# Altium PCB MiniSystem-Pcb-All.PcbDoc (part 1 of 8) (continued)
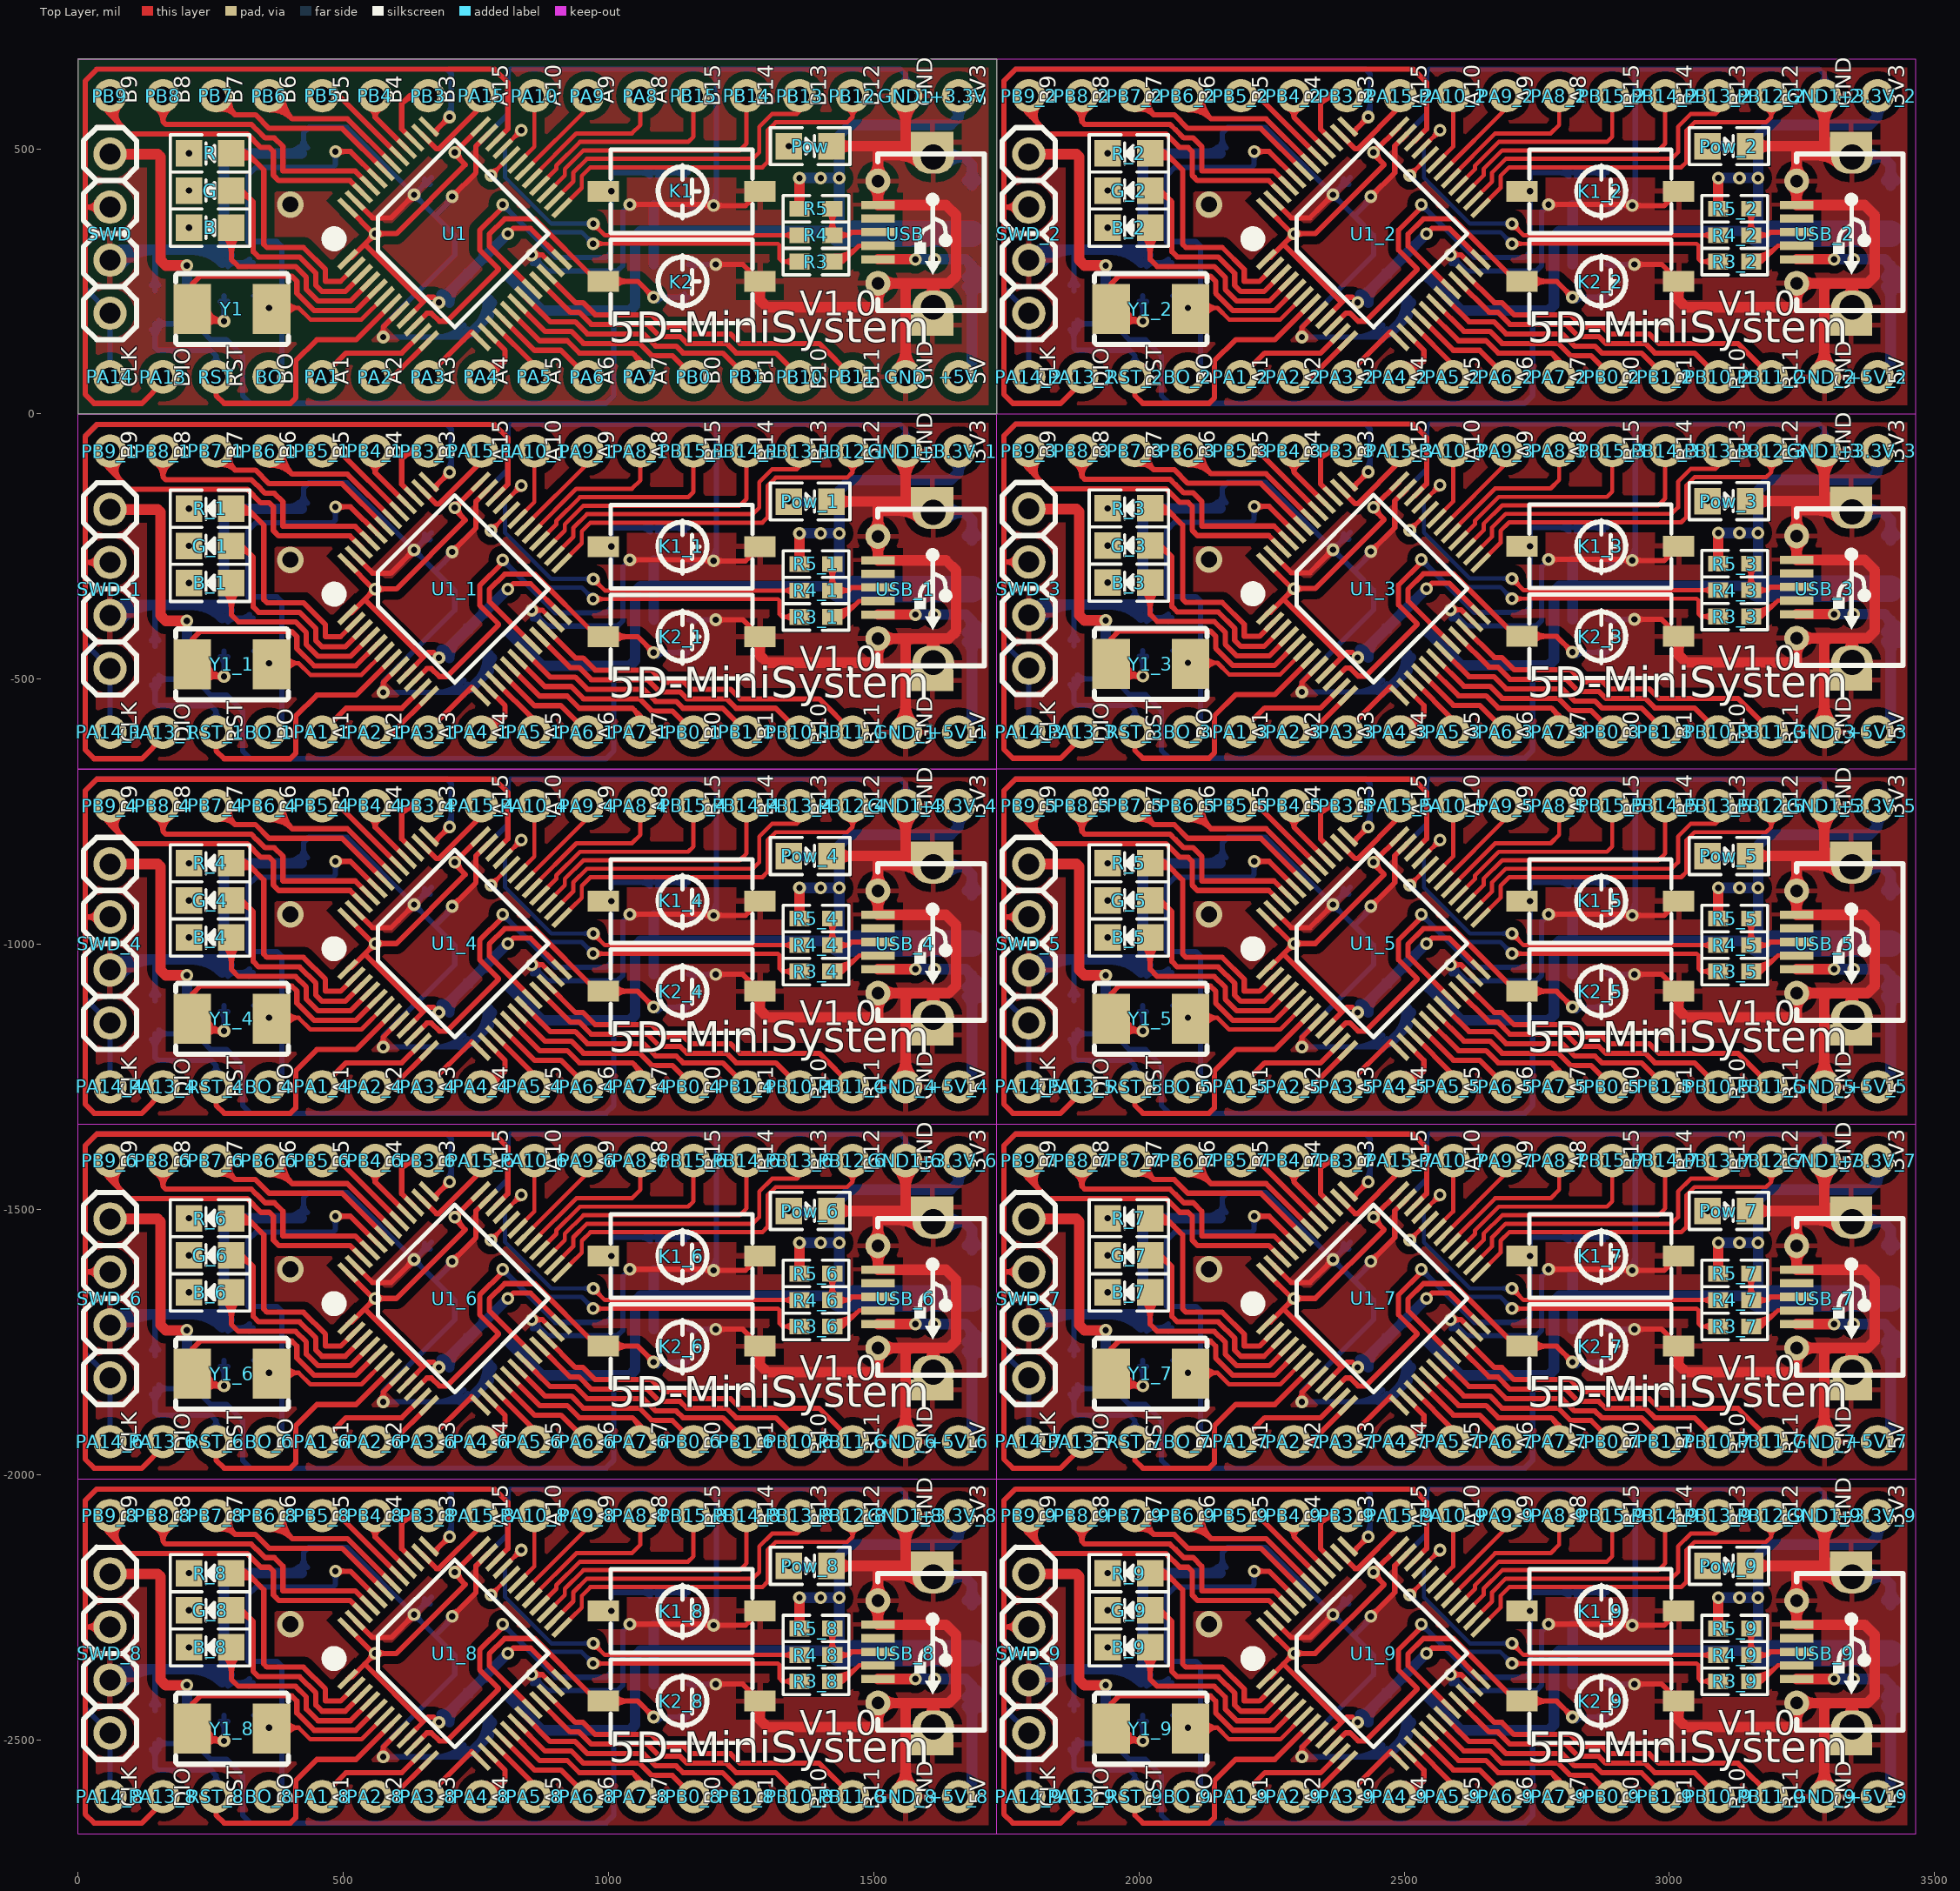
[diagram p0: Top Layer view]
## Components (designator, comment, footprint, x,y, rotation, side; value= is the part's Value field where it differs from the comment) (continued)
GND "" TP 1560,70 r0 top
GND1 "" TP 1560,600 r90 top
GND1_1 "" TP 1560,-70 r90 top (schematic designator GND1)
GND1_2 "" TP 3292.28,600 r90 top (schematic designator GND1)
GND1_3 "" TP 3292.28,-69.29 r90 top (schematic designator GND1)
GND1_4 "" TP 1560,-738.58 r90 top (schematic designator GND1)
GND1_5 "" TP 3292.28,-738.58 r90 top (schematic designator GND1)
GND1_6 "" TP 1560,-1407.87 r90 top (schematic designator GND1)
GND1_7 "" TP 3292.28,-1407.87 r90 top (schematic designator GND1)
GND1_8 "" TP 1560,-2077.17 r90 top (schematic designator GND1)
GND1_9 "" TP 3292.28,-2077.17 r90 top (schematic designator GND1)
GND_1 "" TP 1560,-600 r0 top (schematic designator GND)
GND_2 "" TP 3292.28,70 r0 top (schematic designator GND)
GND_3 "" TP 3292.28,-599.29 r0 top (schematic designator GND)
GND_4 "" TP 1560,-1268.58 r0 top (schematic designator GND)
GND_5 "" TP 3292.28,-1268.58 r0 top (schematic designator GND)
GND_6 "" TP 1560,-1937.87 r0 top (schematic designator GND)
GND_7 "" TP 3292.28,-1937.87 r0 top (schematic designator GND)
GND_8 "" TP 1560,-2607.17 r0 top (schematic designator GND)
GND_9 "" TP 3292.28,-2607.17 r0 top (schematic designator GND)
K1 "SW-PB" SW-Mini 1285.28,420 r180 top
K1_1 "SW-PB" SW-Mini 1285.28,-250 r180 top (schematic designator K1)
K1_2 "SW-PB" SW-Mini 3017.56,420 r180 top (schematic designator K1)
K1_3 "SW-PB" SW-Mini 3017.56,-249.29 r180 top (schematic designator K1)
K1_4 "SW-PB" SW-Mini 1285.28,-918.58 r180 top (schematic designator K1)
K1_5 "SW-PB" SW-Mini 3017.56,-918.58 r180 top (schematic designator K1)
K1_6 "SW-PB" SW-Mini 1285.28,-1587.87 r180 top (schematic designator K1)
K1_7 "SW-PB" SW-Mini 3017.56,-1587.87 r180 top (schematic designator K1)
K1_8 "SW-PB" SW-Mini 1285.28,-2257.17 r180 top (schematic designator K1)
K1_9 "SW-PB" SW-Mini 3017.56,-2257.17 r180 top (schematic designator K1)
K2 "SW-PB" SW-Mini 1285.28,250 r180 top
K2_1 "SW-PB" SW-Mini 1285.28,-420 r180 top (schematic designator K2)
K2_2 "SW-PB" SW-Mini 3017.56,250 r180 top (schematic designator K2)
K2_3 "SW-PB" SW-Mini 3017.56,-419.29 r180 top (schematic designator K2)
K2_4 "SW-PB" SW-Mini 1285.28,-1088.58 r180 top (schematic designator K2)
K2_5 "SW-PB" SW-Mini 3017.56,-1088.58 r180 top (schematic designator K2)
K2_6 "SW-PB" SW-Mini 1285.28,-1757.87 r180 top (schematic designator K2)
K2_7 "SW-PB" SW-Mini 3017.56,-1757.87 r180 top (schematic designator K2)
K2_8 "SW-PB" SW-Mini 1285.28,-2427.17 r180 top (schematic designator K2)
K2_9 "SW-PB" SW-Mini 3017.56,-2427.17 r180 top (schematic designator K2)
L1 "BEAD" l0603 770,300 r315 bottom
L1_1 "BEAD" l0603 770,-370 r315 bottom (schematic designator L1)
L1_2 "BEAD" l0603 2502.28,300 r315 bottom (schematic designator L1)
L1_3 "BEAD" l0603 2502.28,-369.29 r315 bottom (schematic designator L1)
L1_4 "BEAD" l0603 770,-1038.58 r315 bottom (schematic designator L1)
L1_5 "BEAD" l0603 2502.28,-1038.58 r315 bottom (schematic designator L1)
L1_6 "BEAD" l0603 770,-1707.87 r315 bottom (schematic designator L1)
L1_7 "BEAD" l0603 2502.28,-1707.87 r315 bottom (schematic designator L1)
L1_8 "BEAD" l0603 770,-2377.17 r315 bottom (schematic designator L1)
L1_9 "BEAD" l0603 2502.28,-2377.17 r315 bottom (schematic designator L1)
PA1 "" TP 460,70 r0 top
PA1_1 "" TP 460,-600 r0 top (schematic designator PA1)
PA1_2 "" TP 2192.28,70 r0 top (schematic designator PA1)
PA1_3 "" TP 2192.28,-599.29 r0 top (schematic designator PA1)
PA1_4 "" TP 460,-1268.58 r0 top (schematic designator PA1)
PA1_5 "" TP 2192.28,-1268.58 r0 top (schematic designator PA1)
PA1_6 "" TP 460,-1937.87 r0 top (schematic designator PA1)
PA1_7 "" TP 2192.28,-1937.87 r0 top (schematic designator PA1)
PA1_8 "" TP 460,-2607.17 r0 top (schematic designator PA1)
PA1_9 "" TP 2192.28,-2607.17 r0 top (schematic designator PA1)
PA2 "" TP 560,70 r0 top
PA2_1 "" TP 560,-600 r0 top (schematic designator PA2)
PA2_2 "" TP 2292.28,70 r0 top (schematic designator PA2)
PA2_3 "" TP 2292.28,-599.29 r0 top (schematic designator PA2)
PA2_4 "" TP 560,-1268.58 r0 top (schematic designator PA2)
PA2_5 "" TP 2292.28,-1268.58 r0 top (schematic designator PA2)
PA2_6 "" TP 560,-1937.87 r0 top (schematic designator PA2)
PA2_7 "" TP 2292.28,-1937.87 r0 top (schematic designator PA2)
PA2_8 "" TP 560,-2607.17 r0 top (schematic designator PA2)
PA2_9 "" TP 2292.28,-2607.17 r0 top (schematic designator PA2)
PA3 "" TP 660,70 r0 top
PA3_1 "" TP 660,-600 r0 top (schematic designator PA3)
PA3_2 "" TP 2392.28,70 r0 top (schematic designator PA3)
PA3_3 "" TP 2392.28,-599.29 r0 top (schematic designator PA3)
PA3_4 "" TP 660,-1268.58 r0 top (schematic designator PA3)
PA3_5 "" TP 2392.28,-1268.58 r0 top (schematic designator PA3)
PA3_6 "" TP 660,-1937.87 r0 top (schematic designator PA3)
PA3_7 "" TP 2392.28,-1937.87 r0 top (schematic designator PA3)
PA3_8 "" TP 660,-2607.17 r0 top (schematic designator PA3)
PA3_9 "" TP 2392.28,-2607.17 r0 top (schematic designator PA3)
PA4 "" TP 760,70 r0 top
PA4_1 "" TP 760,-600 r0 top (schematic designator PA4)
PA4_2 "" TP 2492.28,70 r0 top (schematic designator PA4)
PA4_3 "" TP 2492.28,-599.29 r0 top (schematic designator PA4)
PA4_4 "" TP 760,-1268.58 r0 top (schematic designator PA4)
PA4_5 "" TP 2492.28,-1268.58 r0 top (schematic designator PA4)
PA4_6 "" TP 760,-1937.87 r0 top (schematic designator PA4)
PA4_7 "" TP 2492.28,-1937.87 r0 top (schematic designator PA4)
PA4_8 "" TP 760,-2607.17 r0 top (schematic designator PA4)
PA4_9 "" TP 2492.28,-2607.17 r0 top (schematic designator PA4)
PA5 "" TP 860,70 r0 top
PA5_1 "" TP 860,-600 r0 top (schematic designator PA5)
PA5_2 "" TP 2592.28,70 r0 top (schematic designator PA5)
PA5_3 "" TP 2592.28,-599.29 r0 top (schematic designator PA5)
PA5_4 "" TP 860,-1268.58 r0 top (schematic designator PA5)
PA5_5 "" TP 2592.28,-1268.58 r0 top (schematic designator PA5)
PA5_6 "" TP 860,-1937.87 r0 top (schematic designator PA5)
PA5_7 "" TP 2592.28,-1937.87 r0 top (schematic designator PA5)
PA5_8 "" TP 860,-2607.17 r0 top (schematic designator PA5)
PA5_9 "" TP 2592.28,-2607.17 r0 top (schematic designator PA5)
PA6 "" TP 960,70 r0 top
PA6_1 "" TP 960,-600 r0 top (schematic designator PA6)
PA6_2 "" TP 2692.28,70 r0 top (schematic designator PA6)
PA6_3 "" TP 2692.28,-599.29 r0 top (schematic designator PA6)
PA6_4 "" TP 960,-1268.58 r0 top (schematic designator PA6)
PA6_5 "" TP 2692.28,-1268.58 r0 top (schematic designator PA6)
PA6_6 "" TP 960,-1937.87 r0 top (schematic designator PA6)
PA6_7 "" TP 2692.28,-1937.87 r0 top (schematic designator PA6)
PA6_8 "" TP 960,-2607.17 r0 top (schematic designator PA6)
PA6_9 "" TP 2692.28,-2607.17 r0 top (schematic designator PA6)
PA7 "" TP 1060,70 r0 top
PA7_1 "" TP 1060,-600 r0 top (schematic designator PA7)
PA7_2 "" TP 2792.28,70 r0 top (schematic designator PA7)
PA7_3 "" TP 2792.28,-599.29 r0 top (schematic designator PA7)
PA7_4 "" TP 1060,-1268.58 r0 top (schematic designator PA7)
PA7_5 "" TP 2792.28,-1268.58 r0 top (schematic designator PA7)
PA7_6 "" TP 1060,-1937.87 r0 top (schematic designator PA7)
PA7_7 "" TP 2792.28,-1937.87 r0 top (schematic designator PA7)
PA7_8 "" TP 1060,-2607.17 r0 top (schematic designator PA7)
PA7_9 "" TP 2792.28,-2607.17 r0 top (schematic designator PA7)
PA8 "" TP 1060,600 r0 top
PA8_1 "" TP 1060,-70 r0 top (schematic designator PA8)
PA8_2 "" TP 2792.28,600 r0 top (schematic designator PA8)
PA8_3 "" TP 2792.28,-69.29 r0 top (schematic designator PA8)
PA8_4 "" TP 1060,-738.58 r0 top (schematic designator PA8)
PA8_5 "" TP 2792.28,-738.58 r0 top (schematic designator PA8)
PA8_6 "" TP 1060,-1407.87 r0 top (schematic designator PA8)
PA8_7 "" TP 2792.28,-1407.87 r0 top (schematic designator PA8)
PA8_8 "" TP 1060,-2077.17 r0 top (schematic designator PA8)
PA8_9 "" TP 2792.28,-2077.17 r0 top (schematic designator PA8)
PA9 "" TP 960,600 r0 top
PA9_1 "" TP 960,-70 r0 top (schematic designator PA9)
PA9_2 "" TP 2692.28,600 r0 top (schematic designator PA9)
PA9_3 "" TP 2692.28,-69.29 r0 top (schematic designator PA9)
PA9_4 "" TP 960,-738.58 r0 top (schematic designator PA9)
PA9_5 "" TP 2692.28,-738.58 r0 top (schematic designator PA9)
PA9_6 "" TP 960,-1407.87 r0 top (schematic designator PA9)
PA9_7 "" TP 2692.28,-1407.87 r0 top (schematic designator PA9)
PA9_8 "" TP 960,-2077.17 r0 top (schematic designator PA9)
PA9_9 "" TP 2692.28,-2077.17 r0 top (schematic designator PA9)
PA10 "" TP 860,600 r90 top
PA10_1 "" TP 860,-70 r90 top (schematic designator PA10)
PA10_2 "" TP 2592.28,600 r90 top (schematic designator PA10)
PA10_3 "" TP 2592.28,-69.29 r90 top (schematic designator PA10)
PA10_4 "" TP 860,-738.58 r90 top (schematic designator PA10)
PA10_5 "" TP 2592.28,-738.58 r90 top (schematic designator PA10)
PA10_6 "" TP 860,-1407.87 r90 top (schematic designator PA10)
PA10_7 "" TP 2592.28,-1407.87 r90 top (schematic designator PA10)
PA10_8 "" TP 860,-2077.17 r90 top (schematic designator PA10)
PA10_9 "" TP 2592.28,-2077.17 r90 top (schematic designator PA10)
PA13 "" TP 160,70 r90 top
PA13_1 "" TP 160,-600 r90 top (schematic designator PA13)
PA13_2 "" TP 1892.28,70 r90 top (schematic designator PA13)
PA13_3 "" TP 1892.28,-599.29 r90 top (schematic designator PA13)
PA13_4 "" TP 160,-1268.58 r90 top (schematic designator PA13)
PA13_5 "" TP 1892.28,-1268.58 r90 top (schematic designator PA13)
PA13_6 "" TP 160,-1937.87 r90 top (schematic designator PA13)
PA13_7 "" TP 1892.28,-1937.87 r90 top (schematic designator PA13)
PA13_8 "" TP 160,-2607.17 r90 top (schematic designator PA13)
PA13_9 "" TP 1892.28,-2607.17 r90 top (schematic designator PA13)
PA14 "" TP 60,70 r90 top
PA14_1 "" TP 60,-600 r90 top (schematic designator PA14)
PA14_2 "" TP 1792.28,70 r90 top (schematic designator PA14)
PA14_3 "" TP 1792.28,-599.29 r90 top (schematic designator PA14)
PA14_4 "" TP 60,-1268.58 r90 top (schematic designator PA14)
PA14_5 "" TP 1792.28,-1268.58 r90 top (schematic designator PA14)
PA14_6 "" TP 60,-1937.87 r90 top (schematic designator PA14)
PA14_7 "" TP 1792.28,-1937.87 r90 top (schematic designator PA14)
PA14_8 "" TP 60,-2607.17 r90 top (schematic designator PA14)
PA14_9 "" TP 1792.28,-2607.17 r90 top (schematic designator PA14)
PA15 "" TP 760,600 r90 top
PA15_1 "" TP 760,-70 r90 top (schematic designator PA15)
PA15_2 "" TP 2492.28,600 r90 top (schematic designator PA15)
PA15_3 "" TP 2492.28,-69.29 r90 top (schematic designator PA15)
PA15_4 "" TP 760,-738.58 r90 top (schematic designator PA15)
PA15_5 "" TP 2492.28,-738.58 r90 top (schematic designator PA15)
PA15_6 "" TP 760,-1407.87 r90 top (schematic designator PA15)
PA15_7 "" TP 2492.28,-1407.87 r90 top (schematic designator PA15)
PA15_8 "" TP 760,-2077.17 r90 top (schematic designator PA15)
PA15_9 "" TP 2492.28,-2077.17 r90 top (schematic designator PA15)
PB0 "" TP 1160,70 r0 top
PB0_1 "" TP 1160,-600 r0 top (schematic designator PB0)
PB0_2 "" TP 2892.28,70 r0 top (schematic designator PB0)
PB0_3 "" TP 2892.28,-599.29 r0 top (schematic designator PB0)
PB0_4 "" TP 1160,-1268.58 r0 top (schematic designator PB0)
PB0_5 "" TP 2892.28,-1268.58 r0 top (schematic designator PB0)
PB0_6 "" TP 1160,-1937.87 r0 top (schematic designator PB0)
PB0_7 "" TP 2892.28,-1937.87 r0 top (schematic designator PB0)
PB0_8 "" TP 1160,-2607.17 r0 top (schematic designator PB0)
PB0_9 "" TP 2892.28,-2607.17 r0 top (schematic designator PB0)
PB1 "" TP 1260,70 r0 top
PB1_1 "" TP 1260,-600 r0 top (schematic designator PB1)
PB1_2 "" TP 2992.28,70 r0 top (schematic designator PB1)
PB1_3 "" TP 2992.28,-599.29 r0 top (schematic designator PB1)
PB1_4 "" TP 1260,-1268.58 r0 top (schematic designator PB1)
PB1_5 "" TP 2992.28,-1268.58 r0 top (schematic designator PB1)
PB1_6 "" TP 1260,-1937.87 r0 top (schematic designator PB1)
PB1_7 "" TP 2992.28,-1937.87 r0 top (schematic designator PB1)
PB1_8 "" TP 1260,-2607.17 r0 top (schematic designator PB1)
PB1_9 "" TP 2992.28,-2607.17 r0 top (schematic designator PB1)
PB3 "" TP 660,600 r0 top
PB3_1 "" TP 660,-70 r0 top (schematic designator PB3)
PB3_2 "" TP 2392.28,600 r0 top (schematic designator PB3)
PB3_3 "" TP 2392.28,-69.29 r0 top (schematic designator PB3)
PB3_4 "" TP 660,-738.58 r0 top (schematic designator PB3)
PB3_5 "" TP 2392.28,-738.58 r0 top (schematic designator PB3)
PB3_6 "" TP 660,-1407.87 r0 top (schematic designator PB3)
PB3_7 "" TP 2392.28,-1407.87 r0 top (schematic designator PB3)
PB3_8 "" TP 660,-2077.17 r0 top (schematic designator PB3)
PB3_9 "" TP 2392.28,-2077.17 r0 top (schematic designator PB3)
PB4 "" TP 560,600 r0 top
PB4_1 "" TP 560,-70 r0 top (schematic designator PB4)
PB4_2 "" TP 2292.28,600 r0 top (schematic designator PB4)
PB4_3 "" TP 2292.28,-69.29 r0 top (schematic designator PB4)
PB4_4 "" TP 560,-738.58 r0 top (schematic designator PB4)
PB4_5 "" TP 2292.28,-738.58 r0 top (schematic designator PB4)
PB4_6 "" TP 560,-1407.87 r0 top (schematic designator PB4)
PB4_7 "" TP 2292.28,-1407.87 r0 top (schematic designator PB4)
PB4_8 "" TP 560,-2077.17 r0 top (schematic designator PB4)
PB4_9 "" TP 2292.28,-2077.17 r0 top (schematic designator PB4)
PB5 "" TP 460,600 r0 top
PB5_1 "" TP 460,-70 r0 top (schematic designator PB5)
PB5_2 "" TP 2192.28,600 r0 top (schematic designator PB5)
PB5_3 "" TP 2192.28,-69.29 r0 top (schematic designator PB5)
PB5_4 "" TP 460,-738.58 r0 top (schematic designator PB5)
PB5_5 "" TP 2192.28,-738.58 r0 top (schematic designator PB5)
PB5_6 "" TP 460,-1407.87 r0 top (schematic designator PB5)
PB5_7 "" TP 2192.28,-1407.87 r0 top (schematic designator PB5)
PB5_8 "" TP 460,-2077.17 r0 top (schematic designator PB5)
PB5_9 "" TP 2192.28,-2077.17 r0 top (schematic designator PB5)
PB6 "" TP 360,600 r0 top
PB6_1 "" TP 360,-70 r0 top (schematic designator PB6)
PB6_2 "" TP 2092.28,600 r0 top (schematic designator PB6)
PB6_3 "" TP 2092.28,-69.29 r0 top (schematic designator PB6)
PB6_4 "" TP 360,-738.58 r0 top (schematic designator PB6)
PB6_5 "" TP 2092.28,-738.58 r0 top (schematic designator PB6)
PB6_6 "" TP 360,-1407.87 r0 top (schematic designator PB6)
PB6_7 "" TP 2092.28,-1407.87 r0 top (schematic designator PB6)
PB6_8 "" TP 360,-2077.17 r0 top (schematic designator PB6)
PB6_9 "" TP 2092.28,-2077.17 r0 top (schematic designator PB6)
PB7 "" TP 260,600 r0 top
PB7_1 "" TP 260,-70 r0 top (schematic designator PB7)
PB7_2 "" TP 1992.28,600 r0 top (schematic designator PB7)
PB7_3 "" TP 1992.28,-69.29 r0 top (schematic designator PB7)
PB7_4 "" TP 260,-738.58 r0 top (schematic designator PB7)
PB7_5 "" TP 1992.28,-738.58 r0 top (schematic designator PB7)
PB7_6 "" TP 260,-1407.87 r0 top (schematic designator PB7)
PB7_7 "" TP 1992.28,-1407.87 r0 top (schematic designator PB7)
PB7_8 "" TP 260,-2077.17 r0 top (schematic designator PB7)
PB7_9 "" TP 1992.28,-2077.17 r0 top (schematic designator PB7)
PB8 "" TP 160,600 r0 top
PB8_1 "" TP 160,-70 r0 top (schematic designator PB8)
PB8_2 "" TP 1892.28,600 r0 top (schematic designator PB8)
PB8_3 "" TP 1892.28,-69.29 r0 top (schematic designator PB8)
PB8_4 "" TP 160,-738.58 r0 top (schematic designator PB8)
PB8_5 "" TP 1892.28,-738.58 r0 top (schematic designator PB8)
PB8_6 "" TP 160,-1407.87 r0 top (schematic designator PB8)
PB8_7 "" TP 1892.28,-1407.87 r0 top (schematic designator PB8)
PB8_8 "" TP 160,-2077.17 r0 top (schematic designator PB8)
PB8_9 "" TP 1892.28,-2077.17 r0 top (schematic designator PB8)
PB9 "" TP 60,600 r0 top
PB9_1 "" TP 60,-70 r0 top (schematic designator PB9)
PB9_2 "" TP 1792.28,600 r0 top (schematic designator PB9)
PB9_3 "" TP 1792.28,-69.29 r0 top (schematic designator PB9)
PB9_4 "" TP 60,-738.58 r0 top (schematic designator PB9)
PB9_5 "" TP 1792.28,-738.58 r0 top (schematic designator PB9)
PB9_6 "" TP 60,-1407.87 r0 top (schematic designator PB9)
PB9_7 "" TP 1792.28,-1407.87 r0 top (schematic designator PB9)
PB9_8 "" TP 60,-2077.17 r0 top (schematic designator PB9)
PB9_9 "" TP 1792.28,-2077.17 r0 top (schematic designator PB9)
PB10 "" TP 1360,70 r90 top
PB10_1 "" TP 1360,-600 r90 top (schematic designator PB10)
PB10_2 "" TP 3092.28,70 r90 top (schematic designator PB10)
PB10_3 "" TP 3092.28,-599.29 r90 top (schematic designator PB10)
PB10_4 "" TP 1360,-1268.58 r90 top (schematic designator PB10)
PB10_5 "" TP 3092.28,-1268.58 r90 top (schematic designator PB10)
PB10_6 "" TP 1360,-1937.87 r90 top (schematic designator PB10)
PB10_7 "" TP 3092.28,-1937.87 r90 top (schematic designator PB10)
PB10_8 "" TP 1360,-2607.17 r90 top (schematic designator PB10)
PB10_9 "" TP 3092.28,-2607.17 r90 top (schematic designator PB10)
PB11 "" TP 1460,70 r0 top
PB11_1 "" TP 1460,-600 r0 top (schematic designator PB11)
PB11_2 "" TP 3192.28,70 r0 top (schematic designator PB11)
PB11_3 "" TP 3192.28,-599.29 r0 top (schematic designator PB11)
PB11_4 "" TP 1460,-1268.58 r0 top (schematic designator PB11)
PB11_5 "" TP 3192.28,-1268.58 r0 top (schematic designator PB11)
PB11_6 "" TP 1460,-1937.87 r0 top (schematic designator PB11)
PB11_7 "" TP 3192.28,-1937.87 r0 top (schematic designator PB11)
PB11_8 "" TP 1460,-2607.17 r0 top (schematic designator PB11)
PB11_9 "" TP 3192.28,-2607.17 r0 top (schematic designator PB11)
PB12 "" TP 1460,600 r90 top
PB12_1 "" TP 1460,-70 r90 top (schematic designator PB12)
PB12_2 "" TP 3192.28,600 r90 top (schematic designator PB12)
PB12_3 "" TP 3192.28,-69.29 r90 top (schematic designator PB12)
PB12_4 "" TP 1460,-738.58 r90 top (schematic designator PB12)
PB12_5 "" TP 3192.28,-738.58 r90 top (schematic designator PB12)
PB12_6 "" TP 1460,-1407.87 r90 top (schematic designator PB12)
PB12_7 "" TP 3192.28,-1407.87 r90 top (schematic designator PB12)
PB12_8 "" TP 1460,-2077.17 r90 top (schematic designator PB12)
PB12_9 "" TP 3192.28,-2077.17 r90 top (schematic designator PB12)
PB13 "" TP 1360,600 r90 top
PB13_1 "" TP 1360,-70 r90 top (schematic designator PB13)
PB13_2 "" TP 3092.28,600 r90 top (schematic designator PB13)
PB13_3 "" TP 3092.28,-69.29 r90 top (schematic designator PB13)
PB13_4 "" TP 1360,-738.58 r90 top (schematic designator PB13)
PB13_5 "" TP 3092.28,-738.58 r90 top (schematic designator PB13)
PB13_6 "" TP 1360,-1407.87 r90 top (schematic designator PB13)
PB13_7 "" TP 3092.28,-1407.87 r90 top (schematic designator PB13)
PB13_8 "" TP 1360,-2077.17 r90 top (schematic designator PB13)
PB13_9 "" TP 3092.28,-2077.17 r90 top (schematic designator PB13)
PB14 "" TP 1260,600 r90 top
PB14_1 "" TP 1260,-70 r90 top (schematic designator PB14)
PB14_2 "" TP 2992.28,600 r90 top (schematic designator PB14)
PB14_3 "" TP 2992.28,-69.29 r90 top (schematic designator PB14)
PB14_4 "" TP 1260,-738.58 r90 top (schematic designator PB14)
PB14_5 "" TP 2992.28,-738.58 r90 top (schematic designator PB14)
PB14_6 "" TP 1260,-1407.87 r90 top (schematic designator PB14)
PB14_7 "" TP 2992.28,-1407.87 r90 top (schematic designator PB14)
PB14_8 "" TP 1260,-2077.17 r90 top (schematic designator PB14)
PB14_9 "" TP 2992.28,-2077.17 r90 top (schematic designator PB14)
PB15 "" TP 1160,600 r90 top
PB15_1 "" TP 1160,-70 r90 top (schematic designator PB15)
PB15_2 "" TP 2892.28,600 r90 top (schematic designator PB15)
PB15_3 "" TP 2892.28,-69.29 r90 top (schematic designator PB15)
PB15_4 "" TP 1160,-738.58 r90 top (schematic designator PB15)
PB15_5 "" TP 2892.28,-738.58 r90 top (schematic designator PB15)
PB15_6 "" TP 1160,-1407.87 r90 top (schematic designator PB15)
PB15_7 "" TP 2892.28,-1407.87 r90 top (schematic designator PB15)
PB15_8 "" TP 1160,-2077.17 r90 top (schematic designator PB15)
PB15_9 "" TP 2892.28,-2077.17 r90 top (schematic designator PB15)
Pow "LED" LED0805 1340,505 r0 top
Pow_1 "LED" LED0805 1340,-165 r0 top (schematic designator Pow)
Pow_2 "LED" LED0805 3072.28,505 r0 top (schematic designator Pow)
Pow_3 "LED" LED0805 3072.28,-164.29 r0 top (schematic designator Pow)
Pow_4 "LED" LED0805 1340,-833.58 r0 top (schematic designator Pow)
Pow_5 "LED" LED0805 3072.28,-833.58 r0 top (schematic designator Pow)
Pow_6 "LED" LED0805 1340,-1502.87 r0 top (schematic designator Pow)
Pow_7 "LED" LED0805 3072.28,-1502.87 r0 top (schematic designator Pow)
Pow_8 "LED" LED0805 1340,-2172.17 r0 top (schematic designator Pow)
Pow_9 "LED" LED0805 3072.28,-2172.17 r0 top (schematic designator Pow)
R "LED" LED0805 288.78,491.3 r180 top
R1 "10K" R0603 205,170 r90 bottom
R1_1 "10K" R0603 205,-500 r90 bottom (schematic designator R1)
R1_2 "10K" R0603 1937.28,170 r90 bottom (schematic designator R1)
R1_3 "10K" R0603 1937.28,-499.29 r90 bottom (schematic designator R1)
R1_4 "10K" R0603 205,-1168.58 r90 bottom (schematic designator R1)
R1_5 "10K" R0603 1937.28,-1168.58 r90 bottom (schematic designator R1)
R1_6 "10K" R0603 205,-1837.87 r90 bottom (schematic designator R1)
R1_7 "10K" R0603 1937.28,-1837.87 r90 bottom (schematic designator R1)
R1_8 "10K" R0603 205,-2507.17 r90 bottom (schematic designator R1)
R1_9 "10K" R0603 1937.28,-2507.17 r90 bottom (schematic designator R1)
R2 "10K" R0603 425,495 r0 bottom
R2_1 "10K" R0603 425,-175 r0 bottom (schematic designator R2)
R2_2 "10K" R0603 2157.28,495 r0 bottom (schematic designator R2)
R2_3 "10K" R0603 2157.28,-174.29 r0 bottom (schematic designator R2)
R2_4 "10K" R0603 425,-843.58 r0 bottom (schematic designator R2)
R2_5 "10K" R0603 2157.28,-843.58 r0 bottom (schematic designator R2)
R2_6 "10K" R0603 425,-1512.87 r0 bottom (schematic designator R2)
R2_7 "10K" R0603 2157.28,-1512.87 r0 bottom (schematic designator R2)
R2_8 "10K" R0603 425,-2182.17 r0 bottom (schematic designator R2)
R2_9 "10K" R0603 2157.28,-2182.17 r0 bottom (schematic designator R2)
R3 "22R" R0603 1360,287.27 r0 top
R3_1 "22R" R0603 1360,-382.73 r0 top (schematic designator R3)
R3_2 "22R" R0603 3092.28,287.27 r0 top (schematic designator R3)
R3_3 "22R" R0603 3092.28,-382.02 r0 top (schematic designator R3)
R3_4 "22R" R0603 1360,-1051.31 r0 top (schematic designator R3)
R3_5 "22R" R0603 3092.28,-1051.31 r0 top (schematic designator R3)
R3_6 "22R" R0603 1360,-1720.6 r0 top (schematic designator R3)
R3_7 "22R" R0603 3092.28,-1720.6 r0 top (schematic designator R3)
R3_8 "22R" R0603 1360,-2389.89 r0 top (schematic designator R3)
R3_9 "22R" R0603 3092.28,-2389.89 r0 top (schematic designator R3)
R4 "22R" R0603 1360,337 r0 top
R4_1 "22R" R0603 1360,-333 r0 top (schematic designator R4)
R4_2 "22R" R0603 3092.28,337 r0 top (schematic designator R4)
R4_3 "22R" R0603 3092.28,-332.29 r0 top (schematic designator R4)
R4_4 "22R" R0603 1360,-1001.58 r0 top (schematic designator R4)
R4_5 "22R" R0603 3092.28,-1001.58 r0 top (schematic designator R4)
R4_6 "22R" R0603 1360,-1670.87 r0 top (schematic designator R4)
R4_7 "22R" R0603 3092.28,-1670.87 r0 top (schematic designator R4)
R4_8 "22R" R0603 1360,-2340.17 r0 top (schematic designator R4)
R4_9 "22R" R0603 3092.28,-2340.17 r0 top (schematic designator R4)
R5 "1.5K" R0603 1360,387 r0 top
R5_1 "1.5K" R0603 1360,-283 r0 top (schematic designator R5)
R5_2 "1.5K" R0603 3092.28,387 r0 top (schematic designator R5)
R5_3 "1.5K" R0603 3092.28,-282.29 r0 top (schematic designator R5)
R5_4 "1.5K" R0603 1360,-951.58 r0 top (schematic designator R5)
R5_5 "1.5K" R0603 3092.28,-951.58 r0 top (schematic designator R5)
R5_6 "1.5K" R0603 1360,-1620.87 r0 top (schematic designator R5)
R5_7 "1.5K" R0603 3092.28,-1620.87 r0 top (schematic designator R5)
R5_8 "1.5K" R0603 1360,-2290.17 r0 top (schematic designator R5)
R5_9 "1.5K" R0603 3092.28,-2290.17 r0 top (schematic designator R5)
R6 "1K" R0603 278.78,491.3 r180 bottom
R6_1 "1K" R0603 278.78,-178.7 r180 bottom (schematic designator R6)
R6_2 "1K" R0603 2011.06,491.3 r180 bottom (schematic designator R6)
R6_3 "1K" R0603 2011.06,-177.99 r180 bottom (schematic designator R6)
R6_4 "1K" R0603 278.78,-847.28 r180 bottom (schematic designator R6)
R6_5 "1K" R0603 2011.06,-847.28 r180 bottom (schematic designator R6)
R6_6 "1K" R0603 278.78,-1516.57 r180 bottom (schematic designator R6)
R6_7 "1K" R0603 2011.06,-1516.57 r180 bottom (schematic designator R6)
R6_8 "1K" R0603 278.78,-2185.87 r180 bottom (schematic designator R6)
R6_9 "1K" R0603 2011.06,-2185.87 r180 bottom (schematic designator R6)
R7 "1K" R0603 278.78,421.3 r180 bottom
R7_1 "1K" R0603 278.78,-248.7 r180 bottom (schematic designator R7)
R7_2 "1K" R0603 2011.06,421.3 r180 bottom (schematic designator R7)
R7_3 "1K" R0603 2011.06,-247.99 r180 bottom (schematic designator R7)
R7_4 "1K" R0603 278.78,-917.28 r180 bottom (schematic designator R7)
R7_5 "1K" R0603 2011.06,-917.28 r180 bottom (schematic designator R7)
R7_6 "1K" R0603 278.78,-1586.57 r180 bottom (schematic designator R7)
R7_7 "1K" R0603 2011.06,-1586.57 r180 bottom (schematic designator R7)
R7_8 "1K" R0603 278.78,-2255.87 r180 bottom (schematic designator R7)
R7_9 "1K" R0603 2011.06,-2255.87 r180 bottom (schematic designator R7)
R8 "1K" R0603 278.78,351.3 r180 bottom
R8_1 "1K" R0603 278.78,-318.7 r180 bottom (schematic designator R8)
R8_2 "1K" R0603 2011.06,351.3 r180 bottom (schematic designator R8)
R8_3 "1K" R0603 2011.06,-317.99 r180 bottom (schematic designator R8)
R8_4 "1K" R0603 278.78,-987.28 r180 bottom (schematic designator R8)
R8_5 "1K" R0603 2011.06,-987.28 r180 bottom (schematic designator R8)
R8_6 "1K" R0603 278.78,-1656.57 r180 bottom (schematic designator R8)
R8_7 "1K" R0603 2011.06,-1656.57 r180 bottom (schematic designator R8)
R8_8 "1K" R0603 278.78,-2325.87 r180 bottom (schematic designator R8)
R8_9 "1K" R0603 2011.06,-2325.87 r180 bottom (schematic designator R8)
R9 "1K" R0603 1375,505 r0 bottom
R9_1 "1K" R0603 1375,-165 r0 bottom (schematic designator R9)
R9_2 "1K" R0603 3107.28,505 r0 bottom (schematic designator R9)
R9_3 "1K" R0603 3107.28,-164.29 r0 bottom (schematic designator R9)
R9_4 "1K" R0603 1375,-833.58 r0 bottom (schematic designator R9)
R9_5 "1K" R0603 3107.28,-833.58 r0 bottom (schematic designator R9)
R9_6 "1K" R0603 1375,-1502.87 r0 bottom (schematic designator R9)
R9_7 "1K" R0603 3107.28,-1502.87 r0 bottom (schematic designator R9)
R9_8 "1K" R0603 1375,-2172.17 r0 bottom (schematic designator R9)
R9_9 "1K" R0603 3107.28,-2172.17 r0 bottom (schematic designator R9)
R10 "1K" R0603 1085.28,455 r270 bottom
R10_1 "1K" R0603 1085.28,-215 r270 bottom (schematic designator R10)
R10_2 "1K" R0603 2817.56,455 r270 bottom (schematic designator R10)
R10_3 "1K" R0603 2817.56,-214.29 r270 bottom (schematic designator R10)
R10_4 "1K" R0603 1085.28,-883.58 r270 bottom (schematic designator R10)
R10_5 "1K" R0603 2817.56,-883.58 r270 bottom (schematic designator R10)
R10_6 "1K" R0603 1085.28,-1552.87 r270 bottom (schematic designator R10)
R10_7 "1K" R0603 2817.56,-1552.87 r270 bottom (schematic designator R10)
R10_8 "1K" R0603 1085.28,-2222.17 r270 bottom (schematic designator R10)
R10_9 "1K" R0603 2817.56,-2222.17 r270 bottom (schematic designator R10)
R11 "1K" R0603 1085.28,220 r90 bottom
R11_1 "1K" R0603 1085.28,-450 r90 bottom (schematic designator R11)
R11_2 "1K" R0603 2817.56,220 r90 bottom (schematic designator R11)
R11_3 "1K" R0603 2817.56,-449.29 r90 bottom (schematic designator R11)
R11_4 "1K" R0603 1085.28,-1118.58 r90 bottom (schematic designator R11)
R11_5 "1K" R0603 2817.56,-1118.58 r90 bottom (schematic designator R11)
R11_6 "1K" R0603 1085.28,-1787.87 r90 bottom (schematic designator R11)
R11_7 "1K" R0603 2817.56,-1787.87 r90 bottom (schematic designator R11)
R11_8 "1K" R0603 1085.28,-2457.17 r90 bottom (schematic designator R11)
R11_9 "1K" R0603 2817.56,-2457.17 r90 bottom (schematic designator R11)
R_1 "LED" LED0805 288.78,-178.7 r180 top (schematic designator R)
R_2 "LED" LED0805 2021.06,491.3 r180 top (schematic designator R)
R_3 "LED" LED0805 2021.06,-177.99 r180 top (schematic designator R)
R_4 "LED" LED0805 288.78,-847.28 r180 top (schematic designator R)
R_5 "LED" LED0805 2021.06,-847.28 r180 top (schematic designator R)
R_6 "LED" LED0805 288.78,-1516.57 r180 top (schematic designator R)
R_7 "LED" LED0805 2021.06,-1516.57 r180 top (schematic designator R)
R_8 "LED" LED0805 288.78,-2185.87 r180 top (schematic designator R)
R_9 "LED" LED0805 2021.06,-2185.87 r180 top (schematic designator R)
RST "" TP 260,70 r0 top
RST_1 "" TP 260,-600 r0 top (schematic designator RST)
RST_2 "" TP 1992.28,70 r0 top (schematic designator RST)
RST_3 "" TP 1992.28,-599.29 r0 top (schematic designator RST)
RST_4 "" TP 260,-1268.58 r0 top (schematic designator RST)
RST_5 "" TP 1992.28,-1268.58 r0 top (schematic designator RST)
RST_6 "" TP 260,-1937.87 r0 top (schematic designator RST)
RST_7 "" TP 1992.28,-1937.87 r0 top (schematic designator RST)
RST_8 "" TP 260,-2607.17 r0 top (schematic designator RST)
RST_9 "" TP 1992.28,-2607.17 r0 top (schematic designator RST)
SWD "SWD" SWIM_SWD 60,340 r0 top
SWD_1 "SWD" SWIM_SWD 60,-330 r0 top (schematic designator SWD)
SWD_2 "SWD" SWIM_SWD 1792.28,340 r0 top (schematic designator SWD)
SWD_3 "SWD" SWIM_SWD 1792.28,-329.29 r0 top (schematic designator SWD)
SWD_4 "SWD" SWIM_SWD 60,-998.58 r0 top (schematic designator SWD)
SWD_5 "SWD" SWIM_SWD 1792.28,-998.58 r0 top (schematic designator SWD)
SWD_6 "SWD" SWIM_SWD 60,-1667.87 r0 top (schematic designator SWD)
SWD_7 "SWD" SWIM_SWD 1792.28,-1667.87 r0 top (schematic designator SWD)
SWD_8 "SWD" SWIM_SWD 60,-2337.17 r0 top (schematic designator SWD)
SWD_9 "SWD" SWIM_SWD 1792.28,-2337.17 r0 top (schematic designator SWD)
U1 "STM32F103C8T6" LQFP48 710,340 r45 top
U1_1 "STM32F103C8T6" LQFP48 710,-330 r45 top (schematic designator U1)
U1_2 "STM32F103C8T6" LQFP48 2442.28,340 r45 top (schematic designator U1)
U1_3 "STM32F103C8T6" LQFP48 2442.28,-329.29 r45 top (schematic designator U1)
U1_4 "STM32F103C8T6" LQFP48 710,-998.58 r45 top (schematic designator U1)
U1_5 "STM32F103C8T6" LQFP48 2442.28,-998.58 r45 top (schematic designator U1)
U1_6 "STM32F103C8T6" LQFP48 710,-1667.87 r45 top (schematic designator U1)
U1_7 "STM32F103C8T6" LQFP48 2442.28,-1667.87 r45 top (schematic designator U1)
U1_8 "STM32F103C8T6" LQFP48 710,-2337.17 r45 top (schematic designator U1)
U1_9 "STM32F103C8T6" LQFP48 2442.28,-2337.17 r45 top (schematic designator U1)
U2 "AMS1117" SOT223 1560,340 r270 bottom
U2_1 "AMS1117" SOT223 1560,-330 r270 bottom (schematic designator U2)
U2_2 "AMS1117" SOT223 3292.28,340 r270 bottom (schematic designator U2)
U2_3 "AMS1117" SOT223 3292.28,-329.29 r270 bottom (schematic designator U2)
U2_4 "AMS1117" SOT223 1560,-998.58 r270 bottom (schematic designator U2)
U2_5 "AMS1117" SOT223 3292.28,-998.58 r270 bottom (schematic designator U2)
U2_6 "AMS1117" SOT223 1560,-1667.87 r270 bottom (schematic designator U2)
U2_7 "AMS1117" SOT223 3292.28,-1667.87 r270 bottom (schematic designator U2)
U2_8 "AMS1117" SOT223 1560,-2337.17 r270 bottom (schematic designator U2)
U2_9 "AMS1117" SOT223 3292.28,-2337.17 r270 bottom (schematic designator U2)
USB "USB" USB-Micro 1560,340 r180 top
USB_1 "USB" USB-Micro 1560,-330 r180 top (schematic designator USB)
USB_2 "USB" USB-Micro 3292.28,340 r180 top (schematic designator USB)
USB_3 "USB" USB-Micro 3292.28,-329.29 r180 top (schematic designator USB)
USB_4 "USB" USB-Micro 1560,-998.58 r180 top (schematic designator USB)
USB_5 "USB" USB-Micro 3292.28,-998.58 r180 top (schematic designator USB)
USB_6 "USB" USB-Micro 1560,-1667.87 r180 top (schematic designator USB)
USB_7 "USB" USB-Micro 3292.28,-1667.87 r180 top (schematic designator USB)
USB_8 "USB" USB-Micro 1560,-2337.17 r180 top (schematic designator USB)
USB_9 "USB" USB-Micro 3292.28,-2337.17 r180 top (schematic designator USB)
Y1 "8M" XTAL-(5.0X3.2MM)-2P 290,198 r180 top
Y1_1 "8M" XTAL-(5.0X3.2MM)-2P 290,-472 r180 top (schematic designator Y1)
Y1_2 "8M" XTAL-(5.0X3.2MM)-2P 2022.28,198 r180 top (schematic designator Y1)
Y1_3 "8M" XTAL-(5.0X3.2MM)-2P 2022.28,-471.29 r180 top (schematic designator Y1)
Y1_4 "8M" XTAL-(5.0X3.2MM)-2P 290,-1140.58 r180 top (schematic designator Y1)
Y1_5 "8M" XTAL-(5.0X3.2MM)-2P 2022.28,-1140.58 r180 top (schematic designator Y1)
Y1_6 "8M" XTAL-(5.0X3.2MM)-2P 290,-1809.87 r180 top (schematic designator Y1)
Y1_7 "8M" XTAL-(5.0X3.2MM)-2P 2022.28,-1809.87 r180 top (schematic designator Y1)
Y1_8 "8M" XTAL-(5.0X3.2MM)-2P 290,-2479.17 r180 top (schematic designator Y1)
Y1_9 "8M" XTAL-(5.0X3.2MM)-2P 2022.28,-2479.17 r180 top (schematic designator Y1)

## Footprints (in the part's own frame and the unit in brackets; to place one, negate y for a bottom-side part, rotate by r counter-clockwise, add the part's x,y. Pads: shape width x height; smd on the part's side, far side on the other; paste and mask are expansions set on the pad)
C0603 [mil]
  rect 38x30 smd: 1(0,0) 2(62,0)
  silkscreen extent -31,-25 93,25, body extent -17,-47 77,46, height 24
C0805 [mil]
  rect 50x50 smd: 1(0,0) 2(80,0)
  silkscreen extent -35,-35 115,35, body extent -23,-64 102,61, height 37
l0603 [mil]
  rect 38x30 smd: 1(0,0) 2(62,0)
  silkscreen extent -31,-25 93,25
LED0805 [mil]
  rect 50x50 smd: 1(0,0) 2(80,0)
  silkscreen extent -35,-35 115,35, body extent 2,-26 82,24, height 43
LQFP48 [mm]
  rect 1.2x0.24 smd: 1(-4.5,2.75) 2(-4.5,2.25) 3(-4.5,1.75) 4(-4.5,1.25) 5(-4.5,0.75) 6(-4.5,0.25) 7(-4.5,-0.25) 8(-4.5,-0.75) 9(-4.5,-1.25) 10(-4.5,-1.75) 11(-4.5,-2.25) 12(-4.5,-2.75) 25(4.5,-2.75) 26(4.5,-2.25) 27(4.5,-1.75) 28(4.5,-1.25) 29(4.5,-0.75) 30(4.5,-0.25) 31(4.5,0.25) 32(4.5,0.75) 33(4.5,1.25) 34(4.5,1.75) 35(4.5,2.25) 36(4.5,2.75)
  rect 0.24x1.2 smd: 13(-2.75,-4.5) 14(-2.25,-4.5) 15(-1.75,-4.5) 16(-1.25,-4.5) 17(-0.75,-4.5) 18(-0.25,-4.5) 19(0.25,-4.5) 20(0.75,-4.5) 21(1.25,-4.5) 22(1.75,-4.5) 23(2.25,-4.5) 24(2.75,-4.5) 37(2.75,4.5) 38(2.25,4.5) 39(1.75,4.5) 40(1.25,4.5) 41(0.75,4.5) 42(0.25,4.5) 43(-0.25,4.5) 44(-0.75,4.5) 45(-1.25,4.5) 46(-1.75,4.5) 47(-2.25,4.5) 48(-2.75,4.5)
  silkscreen extent -4.56,-3.18 3.18,4.21, body extent -7.38,-7.43 7.42,7.37, height 1.5
R0603 [mil]
  rect 38x30 smd: 1(0,0) 2(62,0)
  silkscreen extent -31,-25 93,25, body extent 0,-15 62,16, height 18
SOT223 [mil]
  rect 45x65 smd: 1(-91,-125) 2(0,-125) 3(91,-125)
  rect 118x65 smd: 4(0,125)
  silkscreen extent -125,-65 125,65, body extent -128,-134 128,142, height 55
SW-Mini [mm]
  rect 1.5x1 smd: 1(0,0) 2(7.5,0)
  silkscreen extent 0.35,-2 7.15,2, body extent 0.63,-1.85 6.73,1.85, height 2.5
SWIM_SWD [mm]
  round 1.6 hole 1: 1(0,3.81) 2(0,1.27) 3(0,-1.27) 4(0,-3.81)
  silkscreen extent -1.27,-5.08 1.27,5.09
TP [mm]
  round 1.6 hole 0.9: 1(0,0)
  body extent -1.27,-1.27 1.27,1.27, height 8.54
USB-Micro [mm] "直插Micro-USB"
  rect 1.6x0.4 smd: 1(1.325,1.227) 2(1.325,0.577) 3(1.325,-0.073) 4(1.325,-0.723) 5(1.325,-1.373)
  oval 2x1.6 hole 1.2: 6(-1.325,3.527) 7(-1.325,-3.673)
  rect 2.032x1.016 smd: 6(-1.275,4.381) 7(-1.275,-4.381)
  round 1.2 hole 0.6: 8(1.325,2.377) 9(1.325,-2.523)
  silkscreen extent -3.77,-3.82 1.32,3.68, body extent -4.23,-4.36 1.64,4.24, height 2.73
XTAL-(5.0X3.2MM)-2P [mm]
  rect 1.8x2.4 smd: 1(-1.9,0) 2(1.9,0)
  silkscreen extent -2.7,-1.7 2.7,1.7, body extent -2.46,-1.52 2.54,1.68, height 1